# Altium PCB NxtPX4.PcbDoc (part 1 of 6) (continued)
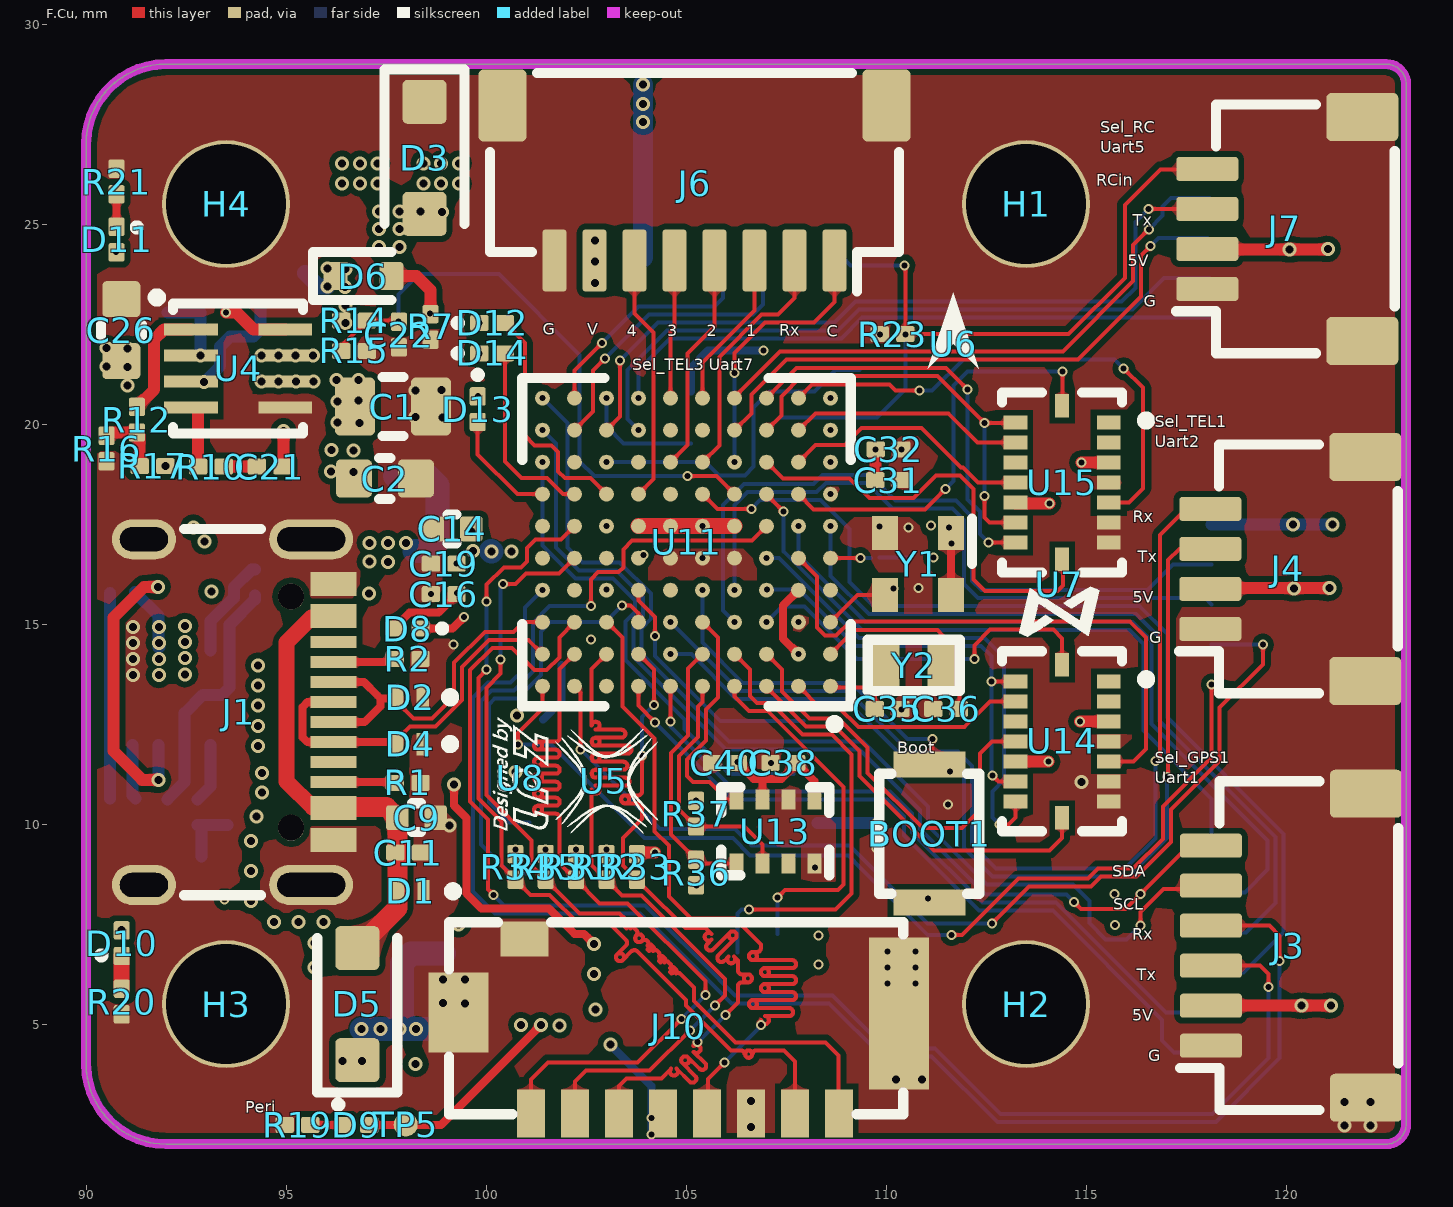
[diagram p0: F.Cu view]
## Design rules (kind name [scope] priority, off if disabled: settings) (continued)
PolygonConnect Polygon_B.Cu-Periph_3V3-2_ConnectDirect [IsNamedPolygon('B.Cu-Periph_3V3-2')] p74: connectstyle=Direct reliefconductorwidth=0.254 reliefentries=4 polygonreliefangle="90 Angle" airgapwidth=0.254
PolygonConnect Polygon_B.Cu-/BMI088_1_ADR_ConnectDirect [IsNamedPolygon('B.Cu-/BMI088_1_ADR')] p75: connectstyle=Direct reliefconductorwidth=0.254 reliefentries=4 polygonreliefangle="90 Angle" airgapwidth=0.254
PolygonConnect Polygon_B.Cu-/EX_I2C4_SDA_ConnectDirect [IsNamedPolygon('B.Cu-/EX_I2C4_SDA')] p76: connectstyle=Direct reliefconductorwidth=0.254 reliefentries=4 polygonreliefangle="90 Angle" airgapwidth=0.254
PolygonConnect Polygon_B.Cu-Net-(R11-Pad2)-3_ConnectDirect [IsNamedPolygon('B.Cu-Net-(R11-Pad2)-3')] p77: connectstyle=Direct reliefconductorwidth=0.254 reliefentries=4 polygonreliefangle="90 Angle" airgapwidth=0.254
PolygonConnect Polygon_B.Cu-/EX_I2C4_SCL_ConnectDirect [IsNamedPolygon('B.Cu-/EX_I2C4_SCL')] p78: connectstyle=Direct reliefconductorwidth=0.254 reliefentries=4 polygonreliefangle="90 Angle" airgapwidth=0.254
PolygonConnect Polygon_B.Cu-/NRST-2_ConnectDirect [IsNamedPolygon('B.Cu-/NRST-2')] p79: connectstyle=Direct reliefconductorwidth=0.254 reliefentries=4 polygonreliefangle="90 Angle" airgapwidth=0.254
PolygonConnect Polygon_B.Cu-/USART3_RX_ConnectDirect [IsNamedPolygon('B.Cu-/USART3_RX')] p80: connectstyle=Direct reliefconductorwidth=0.254 reliefentries=4 polygonreliefangle="90 Angle" airgapwidth=0.254
PolygonConnect Polygon_B.Cu-/FRAM_SPI2_MOSI_ConnectDirect [IsNamedPolygon('B.Cu-/FRAM_SPI2_MOSI')] p81: connectstyle=Direct reliefconductorwidth=0.254 reliefentries=4 polygonreliefangle="90 Angle" airgapwidth=0.254
PolygonConnect Polygon_B.Cu-/NRST-1_ConnectDirect [IsNamedPolygon('B.Cu-/NRST-1')] p82: connectstyle=Direct reliefconductorwidth=0.254 reliefentries=4 polygonreliefangle="90 Angle" airgapwidth=0.254
PolygonConnect Polygon_B.Cu-/SDMMC1_D1-1_ConnectDirect [IsNamedPolygon('B.Cu-/SDMMC1_D1-1')] p83: connectstyle=Direct reliefconductorwidth=0.254 reliefentries=4 polygonreliefangle="90 Angle" airgapwidth=0.254
PolygonConnect Polygon_B.Cu-/SBUS_INV-1_ConnectDirect [IsNamedPolygon('B.Cu-/SBUS_INV-1')] p84: connectstyle=Direct reliefconductorwidth=0.254 reliefentries=4 polygonreliefangle="90 Angle" airgapwidth=0.254
PolygonConnect Polygon_B.Cu-/UART8_TX_ConnectDirect [IsNamedPolygon('B.Cu-/UART8_TX')] p85: connectstyle=Direct reliefconductorwidth=0.254 reliefentries=4 polygonreliefangle="90 Angle" airgapwidth=0.254
PolygonConnect Polygon_B.Cu-/SDMMC1_D2_ConnectDirect [IsNamedPolygon('B.Cu-/SDMMC1_D2')] p86: connectstyle=Direct reliefconductorwidth=0.254 reliefentries=4 polygonreliefangle="90 Angle" airgapwidth=0.254
PolygonConnect Polygon_B.Cu-/EX_SPI3_SCK_ConnectDirect [IsNamedPolygon('B.Cu-/EX_SPI3_SCK')] p87: connectstyle=Direct reliefconductorwidth=0.254 reliefentries=4 polygonreliefangle="90 Angle" airgapwidth=0.254
PolygonConnect Polygon_B.Cu-/EX_SPI3_MOSI_ConnectDirect [IsNamedPolygon('B.Cu-/EX_SPI3_MOSI')] p88: connectstyle=Direct reliefconductorwidth=0.254 reliefentries=4 polygonreliefangle="90 Angle" airgapwidth=0.254
PolygonConnect Polygon_B.Cu-/AUX2_PC1_ConnectDirect [IsNamedPolygon('B.Cu-/AUX2_PC1')] p89: connectstyle=Direct reliefconductorwidth=0.254 reliefentries=4 polygonreliefangle="90 Angle" airgapwidth=0.254
PolygonConnect Polygon_B.Cu-/SBUS-1_ConnectDirect [IsNamedPolygon('B.Cu-/SBUS-1')] p90: connectstyle=Direct reliefconductorwidth=0.254 reliefentries=4 polygonreliefangle="90 Angle" airgapwidth=0.254
PolygonConnect Polygon_B.Cu-Net-(U1-VCC)_ConnectDirect [IsNamedPolygon('B.Cu-Net-(U1-VCC)')] p91: connectstyle=Direct reliefconductorwidth=0.254 reliefentries=4 polygonreliefangle="90 Angle" airgapwidth=0.254
PolygonConnect Polygon_B.Cu-Net-(U1-PG)_ConnectDirect [IsNamedPolygon('B.Cu-Net-(U1-PG)')] p92: connectstyle=Direct reliefconductorwidth=0.254 reliefentries=4 polygonreliefangle="90 Angle" airgapwidth=0.254
PolygonConnect Polygon_B.Cu-/BMI088_1_MOSI-1_ConnectDirect [IsNamedPolygon('B.Cu-/BMI088_1_MOSI-1')] p93: connectstyle=Direct reliefconductorwidth=0.254 reliefentries=4 polygonreliefangle="90 Angle" airgapwidth=0.254
PolygonConnect Polygon_B.Cu-/BMI088_1_MISO-1_ConnectDirect [IsNamedPolygon('B.Cu-/BMI088_1_MISO-1')] p94: connectstyle=Direct reliefconductorwidth=0.254 reliefentries=4 polygonreliefangle="90 Angle" airgapwidth=0.254
PolygonConnect Polygon_B.Cu-Net-(U1-SW)-1_ConnectDirect [IsNamedPolygon('B.Cu-Net-(U1-SW)-1')] p95: connectstyle=Direct reliefconductorwidth=0.254 reliefentries=4 polygonreliefangle="90 Angle" airgapwidth=0.254
PolygonConnect Polygon_B.Cu-/USART1_RX-1_ConnectDirect [IsNamedPolygon('B.Cu-/USART1_RX-1')] p96: connectstyle=Direct reliefconductorwidth=0.254 reliefentries=4 polygonreliefangle="90 Angle" airgapwidth=0.254
PolygonConnect Polygon_B.Cu-/SBUS_ConnectDirect [IsNamedPolygon('B.Cu-/SBUS')] p97: connectstyle=Direct reliefconductorwidth=0.254 reliefentries=4 polygonreliefangle="90 Angle" airgapwidth=0.254
PolygonConnect Polygon_B.Cu-Core_3V3-1_ConnectDirect [IsNamedPolygon('B.Cu-Core_3V3-1')] p98: connectstyle=Direct reliefconductorwidth=0.254 reliefentries=4 polygonreliefangle="90 Angle" airgapwidth=0.254
PolygonConnect Polygon_B.Cu-/TIM2_CH4-1_ConnectDirect [IsNamedPolygon('B.Cu-/TIM2_CH4-1')] p99: connectstyle=Direct reliefconductorwidth=0.254 reliefentries=4 polygonreliefangle="90 Angle" airgapwidth=0.254
PolygonConnect Polygon_B.Cu-Net-(U4-EN{slash}SYNC)-1_ConnectDirect [IsNamedPolygon('B.Cu-Net-(U4-EN{slash}SYNC)-1')] p100: connectstyle=Direct reliefconductorwidth=0.254 reliefentries=4 polygonreliefangle="90 Angle" airgapwidth=0.254
PolygonConnect Polygon_B.Cu-/USART2_RX-1_ConnectDirect [IsNamedPolygon('B.Cu-/USART2_RX-1')] p101: connectstyle=Direct reliefconductorwidth=0.254 reliefentries=4 polygonreliefangle="90 Angle" airgapwidth=0.254
PolygonConnect Polygon_B.Cu-/UART4_TX_ConnectDirect [IsNamedPolygon('B.Cu-/UART4_TX')] p102: connectstyle=Direct reliefconductorwidth=0.254 reliefentries=4 polygonreliefangle="90 Angle" airgapwidth=0.254
PolygonConnect Polygon_B.Cu-/BMI088_0_GCS-1_ConnectDirect [IsNamedPolygon('B.Cu-/BMI088_0_GCS-1')] p103: connectstyle=Direct reliefconductorwidth=0.254 reliefentries=4 polygonreliefangle="90 Angle" airgapwidth=0.254
PolygonConnect Polygon_B.Cu-/SWDIO_ConnectDirect [IsNamedPolygon('B.Cu-/SWDIO')] p104: connectstyle=Direct reliefconductorwidth=0.254 reliefentries=4 polygonreliefangle="90 Angle" airgapwidth=0.254
PolygonConnect Polygon_B.Cu-/FRAM_SPI2_MISO_ConnectDirect [IsNamedPolygon('B.Cu-/FRAM_SPI2_MISO')] p105: connectstyle=Direct reliefconductorwidth=0.254 reliefentries=4 polygonreliefangle="90 Angle" airgapwidth=0.254
PolygonConnect Polygon_B.Cu-/ADC1_INP4_BATT_V_ConnectDirect [IsNamedPolygon('B.Cu-/ADC1_INP4_BATT_V')] p106: connectstyle=Direct reliefconductorwidth=0.254 reliefentries=4 polygonreliefangle="90 Angle" airgapwidth=0.254
PolygonConnect Polygon_B.Cu-/SCLK-2_ConnectDirect [IsNamedPolygon('B.Cu-/SCLK-2')] p107: connectstyle=Direct reliefconductorwidth=0.254 reliefentries=4 polygonreliefangle="90 Angle" airgapwidth=0.254
PolygonConnect Polygon_B.Cu-/USART1_RX_ConnectDirect [IsNamedPolygon('B.Cu-/USART1_RX')] p108: connectstyle=Direct reliefconductorwidth=0.254 reliefentries=4 polygonreliefangle="90 Angle" airgapwidth=0.254
PolygonConnect Polygon_B.Cu-Net-(R11-Pad2)-2_ConnectDirect [IsNamedPolygon('B.Cu-Net-(R11-Pad2)-2')] p109: connectstyle=Direct reliefconductorwidth=0.254 reliefentries=4 polygonreliefangle="90 Angle" airgapwidth=0.254
PolygonConnect Polygon_B.Cu-Net-(U1-FB)_ConnectDirect [IsNamedPolygon('B.Cu-Net-(U1-FB)')] p110: connectstyle=Direct reliefconductorwidth=0.254 reliefentries=4 polygonreliefangle="90 Angle" airgapwidth=0.254
PolygonConnect Polygon_B.Cu-Net-(C17-Pad1)_ConnectDirect [IsNamedPolygon('B.Cu-Net-(C17-Pad1)')] p111: connectstyle=Direct reliefconductorwidth=0.254 reliefentries=4 polygonreliefangle="90 Angle" airgapwidth=0.254
PolygonConnect Polygon_B.Cu-/BMI088_1_MISO_ConnectDirect [IsNamedPolygon('B.Cu-/BMI088_1_MISO')] p112: connectstyle=Direct reliefconductorwidth=0.254 reliefentries=4 polygonreliefangle="90 Angle" airgapwidth=0.254
PolygonConnect Polygon_B.Cu-System_5V-3_ConnectDirect [IsNamedPolygon('B.Cu-System_5V-3')] p113: connectstyle=Direct reliefconductorwidth=0.254 reliefentries=4 polygonreliefangle="90 Angle" airgapwidth=0.254
PolygonConnect Polygon_B.Cu-Net-(R11-Pad2)-1_ConnectDirect [IsNamedPolygon('B.Cu-Net-(R11-Pad2)-1')] p114: connectstyle=Direct reliefconductorwidth=0.254 reliefentries=4 polygonreliefangle="90 Angle" airgapwidth=0.254
PolygonConnect Polygon_B.Cu-Core_3V3_ConnectDirect [IsNamedPolygon('B.Cu-Core_3V3')] p115: connectstyle=Direct reliefconductorwidth=0.254 reliefentries=4 polygonreliefangle="90 Angle" airgapwidth=0.254
PolygonConnect Polygon_B.Cu-/SDMMC1_D1_ConnectDirect [IsNamedPolygon('B.Cu-/SDMMC1_D1')] p116: connectstyle=Direct reliefconductorwidth=0.254 reliefentries=4 polygonreliefangle="90 Angle" airgapwidth=0.254
PolygonConnect Polygon_B.Cu-/SDMMC1_D3_ConnectDirect [IsNamedPolygon('B.Cu-/SDMMC1_D3')] p117: connectstyle=Direct reliefconductorwidth=0.254 reliefentries=4 polygonreliefangle="90 Angle" airgapwidth=0.254
PolygonConnect Polygon_B.Cu-Periph_3V3-1_ConnectDirect [IsNamedPolygon('B.Cu-Periph_3V3-1')] p118: connectstyle=Direct reliefconductorwidth=0.254 reliefentries=4 polygonreliefangle="90 Angle" airgapwidth=0.254
PolygonConnect Polygon_B.Cu-Net-(U4-VCC)_ConnectDirect [IsNamedPolygon('B.Cu-Net-(U4-VCC)')] p119: connectstyle=Direct reliefconductorwidth=0.254 reliefentries=4 polygonreliefangle="90 Angle" airgapwidth=0.254
PolygonConnect Polygon_B.Cu-Net-(U1-SW)_ConnectDirect [IsNamedPolygon('B.Cu-Net-(U1-SW)')] p120: connectstyle=Direct reliefconductorwidth=0.254 reliefentries=4 polygonreliefangle="90 Angle" airgapwidth=0.254
PolygonConnect Polygon_B.Cu-/BMI088_0_MISO-1_ConnectDirect [IsNamedPolygon('B.Cu-/BMI088_0_MISO-1')] p121: connectstyle=Direct reliefconductorwidth=0.254 reliefentries=4 polygonreliefangle="90 Angle" airgapwidth=0.254
PolygonConnect Polygon_B.Cu-/SCLK-1_ConnectDirect [IsNamedPolygon('B.Cu-/SCLK-1')] p122: connectstyle=Direct reliefconductorwidth=0.254 reliefentries=4 polygonreliefangle="90 Angle" airgapwidth=0.254
PolygonConnect Polygon_B.Cu-/TIM2_CH3_ConnectDirect [IsNamedPolygon('B.Cu-/TIM2_CH3')] p123: connectstyle=Direct reliefconductorwidth=0.254 reliefentries=4 polygonreliefangle="90 Angle" airgapwidth=0.254
PolygonConnect Polygon_B.Cu-/SCLK_ConnectDirect [IsNamedPolygon('B.Cu-/SCLK')] p124: connectstyle=Direct reliefconductorwidth=0.254 reliefentries=4 polygonreliefangle="90 Angle" airgapwidth=0.254
PolygonConnect Polygon_B.Cu-/AUX1_PC0_ConnectDirect [IsNamedPolygon('B.Cu-/AUX1_PC0')] p125: connectstyle=Direct reliefconductorwidth=0.254 reliefentries=4 polygonreliefangle="90 Angle" airgapwidth=0.254
PolygonConnect Polygon_B.Cu-Net-(R11-Pad2)_ConnectDirect [IsNamedPolygon('B.Cu-Net-(R11-Pad2)')] p126: connectstyle=Direct reliefconductorwidth=0.254 reliefentries=4 polygonreliefangle="90 Angle" airgapwidth=0.254
PolygonConnect Polygon_B.Cu-Periph_3V3_ConnectDirect [IsNamedPolygon('B.Cu-Periph_3V3')] p127: connectstyle=Direct reliefconductorwidth=0.254 reliefentries=4 polygonreliefangle="90 Angle" airgapwidth=0.254
PolygonConnect Polygon_B.Cu-Net-(U1-BST)_ConnectDirect [IsNamedPolygon('B.Cu-Net-(U1-BST)')] p128: connectstyle=Direct reliefconductorwidth=0.254 reliefentries=4 polygonreliefangle="90 Angle" airgapwidth=0.254
PolygonConnect Polygon_B.Cu-/BMI088_0_GCS_ConnectDirect [IsNamedPolygon('B.Cu-/BMI088_0_GCS')] p129: connectstyle=Direct reliefconductorwidth=0.254 reliefentries=4 polygonreliefangle="90 Angle" airgapwidth=0.254
PolygonConnect Polygon_B.Cu-System_5V-2_ConnectDirect [IsNamedPolygon('B.Cu-System_5V-2')] p130: connectstyle=Direct reliefconductorwidth=0.254 reliefentries=4 polygonreliefangle="90 Angle" airgapwidth=0.254
PolygonConnect Polygon_B.Cu-/EX_SPI3_MISO_ConnectDirect [IsNamedPolygon('B.Cu-/EX_SPI3_MISO')] p131: connectstyle=Direct reliefconductorwidth=0.254 reliefentries=4 polygonreliefangle="90 Angle" airgapwidth=0.254
PolygonConnect Polygon_B.Cu-Net-(U1-EN{slash}SYNC)_ConnectDirect [IsNamedPolygon('B.Cu-Net-(U1-EN{slash}SYNC)')] p132: connectstyle=Direct reliefconductorwidth=0.254 reliefentries=4 polygonreliefangle="90 Angle" airgapwidth=0.254
PolygonConnect Polygon_B.Cu-/USART2_RX_ConnectDirect [IsNamedPolygon('B.Cu-/USART2_RX')] p133: connectstyle=Direct reliefconductorwidth=0.254 reliefentries=4 polygonreliefangle="90 Angle" airgapwidth=0.254
PolygonConnect Polygon_B.Cu-System_5V-1_ConnectDirect [IsNamedPolygon('B.Cu-System_5V-1')] p134: connectstyle=Direct reliefconductorwidth=0.254 reliefentries=4 polygonreliefangle="90 Angle" airgapwidth=0.254
PolygonConnect Polygon_B.Cu-/BMI088_0_MISO_ConnectDirect [IsNamedPolygon('B.Cu-/BMI088_0_MISO')] p135: connectstyle=Direct reliefconductorwidth=0.254 reliefentries=4 polygonreliefangle="90 Angle" airgapwidth=0.254
PolygonConnect Polygon_B.Cu-VCC_24V_ConnectDirect [IsNamedPolygon('B.Cu-VCC_24V')] p136: connectstyle=Direct reliefconductorwidth=0.254 reliefentries=4 polygonreliefangle="90 Angle" airgapwidth=0.254
PolygonConnect Polygon_B.Cu-/USART2_TX_ConnectDirect [IsNamedPolygon('B.Cu-/USART2_TX')] p137: connectstyle=Direct reliefconductorwidth=0.254 reliefentries=4 polygonreliefangle="90 Angle" airgapwidth=0.254
PolygonConnect Polygon_B.Cu-/BMI088_0_ADR_ConnectDirect [IsNamedPolygon('B.Cu-/BMI088_0_ADR')] p138: connectstyle=Direct reliefconductorwidth=0.254 reliefentries=4 polygonreliefangle="90 Angle" airgapwidth=0.254
PolygonConnect Polygon_B.Cu-/SBUS_INV_ConnectDirect [IsNamedPolygon('B.Cu-/SBUS_INV')] p139: connectstyle=Direct reliefconductorwidth=0.254 reliefentries=4 polygonreliefangle="90 Angle" airgapwidth=0.254
PolygonConnect Polygon_B.Cu-CAM_9V_ConnectDirect [IsNamedPolygon('B.Cu-CAM_9V')] p140: connectstyle=Direct reliefconductorwidth=0.254 reliefentries=4 polygonreliefangle="90 Angle" airgapwidth=0.254
PolygonConnect Polygon_B.Cu-Net-(U4-EN{slash}SYNC)_ConnectDirect [IsNamedPolygon('B.Cu-Net-(U4-EN{slash}SYNC)')] p141: connectstyle=Direct reliefconductorwidth=0.254 reliefentries=4 polygonreliefangle="90 Angle" airgapwidth=0.254
PolygonConnect Polygon_B.Cu-/TIM2_CH4_ConnectDirect [IsNamedPolygon('B.Cu-/TIM2_CH4')] p142: connectstyle=Direct reliefconductorwidth=0.254 reliefentries=4 polygonreliefangle="90 Angle" airgapwidth=0.254
PolygonConnect Polygon_B.Cu-/TIM3_CH4_ConnectDirect [IsNamedPolygon('B.Cu-/TIM3_CH4')] p143: connectstyle=Direct reliefconductorwidth=0.254 reliefentries=4 polygonreliefangle="90 Angle" airgapwidth=0.254
PolygonConnect Polygon_B.Cu-/NRST_ConnectDirect [IsNamedPolygon('B.Cu-/NRST')] p144: connectstyle=Direct reliefconductorwidth=0.254 reliefentries=4 polygonreliefangle="90 Angle" airgapwidth=0.254
PolygonConnect Polygon_B.Cu-/BMI088_1_MOSI_ConnectDirect [IsNamedPolygon('B.Cu-/BMI088_1_MOSI')] p145: connectstyle=Direct reliefconductorwidth=0.254 reliefentries=4 polygonreliefangle="90 Angle" airgapwidth=0.254
PolygonConnect Polygon_B.Cu-System_5V_ConnectDirect [IsNamedPolygon('B.Cu-System_5V')] p146: connectstyle=Direct reliefconductorwidth=0.254 reliefentries=4 polygonreliefangle="90 Angle" airgapwidth=0.254
PolygonConnect Polygon_B.Cu-Net-(U11B-BOOT0)_ConnectDirect [IsNamedPolygon('B.Cu-Net-(U11B-BOOT0)')] p147: connectstyle=Direct reliefconductorwidth=0.254 reliefentries=4 polygonreliefangle="90 Angle" airgapwidth=0.254
PolygonConnect Polygon_In2.Cu-Periph_3V3-4_ConnectDirect [IsNamedPolygon('In2.Cu-Periph_3V3-4')] p148: connectstyle=Direct reliefconductorwidth=0.254 reliefentries=4 polygonreliefangle="90 Angle" airgapwidth=0.254
PolygonConnect Polygon_In2.Cu-Periph_3V3-3_ConnectDirect [IsNamedPolygon('In2.Cu-Periph_3V3-3')] p149: connectstyle=Direct reliefconductorwidth=0.254 reliefentries=4 polygonreliefangle="90 Angle" airgapwidth=0.254
PolygonConnect Polygon_In2.Cu-Periph_3V3-2_ConnectDirect [IsNamedPolygon('In2.Cu-Periph_3V3-2')] p150: connectstyle=Direct reliefconductorwidth=0.254 reliefentries=4 polygonreliefangle="90 Angle" airgapwidth=0.254
PolygonConnect Polygon_In2.Cu-System_4V5_ConnectDirect [IsNamedPolygon('In2.Cu-System_4V5')] p151: connectstyle=Direct reliefconductorwidth=0.254 reliefentries=4 polygonreliefangle="90 Angle" airgapwidth=0.254
PolygonConnect Polygon_In2.Cu-Core_3V3-14_ConnectDirect [IsNamedPolygon('In2.Cu-Core_3V3-14')] p152: connectstyle=Direct reliefconductorwidth=0.254 reliefentries=4 polygonreliefangle="90 Angle" airgapwidth=0.254
PolygonConnect Polygon_In2.Cu-Core_3V3-13_ConnectDirect [IsNamedPolygon('In2.Cu-Core_3V3-13')] p153: connectstyle=Direct reliefconductorwidth=0.254 reliefentries=4 polygonreliefangle="90 Angle" airgapwidth=0.254
PolygonConnect Polygon_In2.Cu-Core_3V3-12_ConnectDirect [IsNamedPolygon('In2.Cu-Core_3V3-12')] p154: connectstyle=Direct reliefconductorwidth=0.254 reliefentries=4 polygonreliefangle="90 Angle" airgapwidth=0.254
PolygonConnect Polygon_In2.Cu-Core_3V3-11_ConnectDirect [IsNamedPolygon('In2.Cu-Core_3V3-11')] p155: connectstyle=Direct reliefconductorwidth=0.254 reliefentries=4 polygonreliefangle="90 Angle" airgapwidth=0.254
PolygonConnect Polygon_In2.Cu-Periph_3V3-1_ConnectDirect [IsNamedPolygon('In2.Cu-Periph_3V3-1')] p156: connectstyle=Direct reliefconductorwidth=0.254 reliefentries=4 polygonreliefangle="90 Angle" airgapwidth=0.254
PolygonConnect Polygon_In2.Cu-Core_3V3-10_ConnectDirect [IsNamedPolygon('In2.Cu-Core_3V3-10')] p157: connectstyle=Direct reliefconductorwidth=0.254 reliefentries=4 polygonreliefangle="90 Angle" airgapwidth=0.254
PolygonConnect Polygon_In2.Cu-Net-(U1-SW)_ConnectDirect [IsNamedPolygon('In2.Cu-Net-(U1-SW)')] p158: connectstyle=Direct reliefconductorwidth=0.254 reliefentries=4 polygonreliefangle="90 Angle" airgapwidth=0.254
PolygonConnect Polygon_In2.Cu-Core_3V3-9_ConnectDirect [IsNamedPolygon('In2.Cu-Core_3V3-9')] p159: connectstyle=Direct reliefconductorwidth=0.254 reliefentries=4 polygonreliefangle="90 Angle" airgapwidth=0.254
PolygonConnect Polygon_In2.Cu-Core_3V3-8_ConnectDirect [IsNamedPolygon('In2.Cu-Core_3V3-8')] p160: connectstyle=Direct reliefconductorwidth=0.254 reliefentries=4 polygonreliefangle="90 Angle" airgapwidth=0.254
PolygonConnect Polygon_In2.Cu-Periph_3V3_ConnectDirect [IsNamedPolygon('In2.Cu-Periph_3V3')] p161: connectstyle=Direct reliefconductorwidth=0.254 reliefentries=4 polygonreliefangle="90 Angle" airgapwidth=0.254
PolygonConnect Polygon_In2.Cu-Core_3V3-7_ConnectDirect [IsNamedPolygon('In2.Cu-Core_3V3-7')] p162: connectstyle=Direct reliefconductorwidth=0.254 reliefentries=4 polygonreliefangle="90 Angle" airgapwidth=0.254
PolygonConnect Polygon_In2.Cu-Core_3V3-6_ConnectDirect [IsNamedPolygon('In2.Cu-Core_3V3-6')] p163: connectstyle=Direct reliefconductorwidth=0.254 reliefentries=4 polygonreliefangle="90 Angle" airgapwidth=0.254
PolygonConnect Polygon_In2.Cu-VCC_24V_ConnectDirect [IsNamedPolygon('In2.Cu-VCC_24V')] p164: connectstyle=Direct reliefconductorwidth=0.254 reliefentries=4 polygonreliefangle="90 Angle" airgapwidth=0.254
PolygonConnect Polygon_In2.Cu-Core_3V3-5_ConnectDirect [IsNamedPolygon('In2.Cu-Core_3V3-5')] p165: connectstyle=Direct reliefconductorwidth=0.254 reliefentries=4 polygonreliefangle="90 Angle" airgapwidth=0.254
PolygonConnect Polygon_In2.Cu-Core_3V3-4_ConnectDirect [IsNamedPolygon('In2.Cu-Core_3V3-4')] p166: connectstyle=Direct reliefconductorwidth=0.254 reliefentries=4 polygonreliefangle="90 Angle" airgapwidth=0.254
PolygonConnect Polygon_In2.Cu-Core_3V3-3_ConnectDirect [IsNamedPolygon('In2.Cu-Core_3V3-3')] p167: connectstyle=Direct reliefconductorwidth=0.254 reliefentries=4 polygonreliefangle="90 Angle" airgapwidth=0.254
PolygonConnect Polygon_In2.Cu-Core_3V3-2_ConnectDirect [IsNamedPolygon('In2.Cu-Core_3V3-2')] p168: connectstyle=Direct reliefconductorwidth=0.254 reliefentries=4 polygonreliefangle="90 Angle" airgapwidth=0.254
PolygonConnect Polygon_In2.Cu-System_5V_ConnectDirect [IsNamedPolygon('In2.Cu-System_5V')] p169: connectstyle=Direct reliefconductorwidth=0.254 reliefentries=4 polygonreliefangle="90 Angle" airgapwidth=0.254
PolygonConnect Polygon_In2.Cu-VCC_BAT_ConnectDirect [IsNamedPolygon('In2.Cu-VCC_BAT')] p170: connectstyle=Direct reliefconductorwidth=0.254 reliefentries=4 polygonreliefangle="90 Angle" airgapwidth=0.254
PolygonConnect Polygon_In2.Cu-Core_3V3-1_ConnectDirect [IsNamedPolygon('In2.Cu-Core_3V3-1')] p171: connectstyle=Direct reliefconductorwidth=0.254 reliefentries=4 polygonreliefangle="90 Angle" airgapwidth=0.254
PolygonConnect Polygon_In2.Cu-CAM_9V_ConnectDirect [IsNamedPolygon('In2.Cu-CAM_9V')] p172: connectstyle=Direct reliefconductorwidth=0.254 reliefentries=4 polygonreliefangle="90 Angle" airgapwidth=0.254
PolygonConnect Polygon_In2.Cu-Core_3V3_ConnectDirect [IsNamedPolygon('In2.Cu-Core_3V3')] p173: connectstyle=Direct reliefconductorwidth=0.254 reliefentries=4 polygonreliefangle="90 Angle" airgapwidth=0.254
PolygonConnect Polygon_B.Cu-GND_ConnectDirect [IsNamedPolygon('B.Cu-GND')] p174: connectstyle=Direct reliefconductorwidth=0.254 reliefentries=4 polygonreliefangle="90 Angle" airgapwidth=0.254
PolygonConnect Polygon_In1.Cu-GND_ConnectDirect [IsNamedPolygon('In1.Cu-GND')] p175: connectstyle=Direct reliefconductorwidth=0.254 reliefentries=4 polygonreliefangle="90 Angle" airgapwidth=0.254
PolygonConnect Polygon_F.Cu-GND_ConnectDirect [IsNamedPolygon('F.Cu-GND')] p176: connectstyle=Direct reliefconductorwidth=0.254 reliefentries=4 polygonreliefangle="90 Angle" airgapwidth=0.254
PolygonConnect Polygon_F.Cu-/SCLK-3_ConnectDirect [IsNamedPolygon('F.Cu-/SCLK-3')] p177: connectstyle=Direct reliefconductorwidth=0.254 reliefentries=4 polygonreliefangle="90 Angle" airgapwidth=0.254
PolygonConnect Polygon_F.Cu-/USART3_TX-1_ConnectDirect [IsNamedPolygon('F.Cu-/USART3_TX-1')] p178: connectstyle=Direct reliefconductorwidth=0.254 reliefentries=4 polygonreliefangle="90 Angle" airgapwidth=0.254
PolygonConnect Polygon_F.Cu-/USB_OTG_FS_DM-4_ConnectDirect [IsNamedPolygon('F.Cu-/USB_OTG_FS_DM-4')] p179: connectstyle=Direct reliefconductorwidth=0.254 reliefentries=4 polygonreliefangle="90 Angle" airgapwidth=0.254
PolygonConnect Polygon_F.Cu-/EX_SPI3_MOSI-1_ConnectDirect [IsNamedPolygon('F.Cu-/EX_SPI3_MOSI-1')] p180: connectstyle=Direct reliefconductorwidth=0.254 reliefentries=4 polygonreliefangle="90 Angle" airgapwidth=0.254
PolygonConnect Polygon_F.Cu-System_5V-11_ConnectDirect [IsNamedPolygon('F.Cu-System_5V-11')] p181: connectstyle=Direct reliefconductorwidth=0.254 reliefentries=4 polygonreliefangle="90 Angle" airgapwidth=0.254
PolygonConnect Polygon_F.Cu-/BMI088_0_MISO-5_ConnectDirect [IsNamedPolygon('F.Cu-/BMI088_0_MISO-5')] p182: connectstyle=Direct reliefconductorwidth=0.254 reliefentries=4 polygonreliefangle="90 Angle" airgapwidth=0.254
PolygonConnect Polygon_F.Cu-/BMI088_1_MISO-3_ConnectDirect [IsNamedPolygon('F.Cu-/BMI088_1_MISO-3')] p183: connectstyle=Direct reliefconductorwidth=0.254 reliefentries=4 polygonreliefangle="90 Angle" airgapwidth=0.254
PolygonConnect Polygon_F.Cu-System_5V-10_ConnectDirect [IsNamedPolygon('F.Cu-System_5V-10')] p184: connectstyle=Direct reliefconductorwidth=0.254 reliefentries=4 polygonreliefangle="90 Angle" airgapwidth=0.254
PolygonConnect Polygon_F.Cu-/USART1_RX-1_ConnectDirect [IsNamedPolygon('F.Cu-/USART1_RX-1')] p185: connectstyle=Direct reliefconductorwidth=0.254 reliefentries=4 polygonreliefangle="90 Angle" airgapwidth=0.254
PolygonConnect Polygon_F.Cu-Core_3V3-21_ConnectDirect [IsNamedPolygon('F.Cu-Core_3V3-21')] p186: connectstyle=Direct reliefconductorwidth=0.254 reliefentries=4 polygonreliefangle="90 Angle" airgapwidth=0.254
PolygonConnect Polygon_F.Cu-/EX_SPI3_MOSI_ConnectDirect [IsNamedPolygon('F.Cu-/EX_SPI3_MOSI')] p187: connectstyle=Direct reliefconductorwidth=0.254 reliefentries=4 polygonreliefangle="90 Angle" airgapwidth=0.254
PolygonConnect Polygon_F.Cu-/BMI088_1_SCK-1_ConnectDirect [IsNamedPolygon('F.Cu-/BMI088_1_SCK-1')] p188: connectstyle=Direct reliefconductorwidth=0.254 reliefentries=4 polygonreliefangle="90 Angle" airgapwidth=0.254
PolygonConnect Polygon_F.Cu-Net-(J1-CC1)-1_ConnectDirect [IsNamedPolygon('F.Cu-Net-(J1-CC1)-1')] p189: connectstyle=Direct reliefconductorwidth=0.254 reliefentries=4 polygonreliefangle="90 Angle" airgapwidth=0.254
PolygonConnect Polygon_F.Cu-/BMI088_0_SCK-1_ConnectDirect [IsNamedPolygon('F.Cu-/BMI088_0_SCK-1')] p190: connectstyle=Direct reliefconductorwidth=0.254 reliefentries=4 polygonreliefangle="90 Angle" airgapwidth=0.254
PolygonConnect Polygon_F.Cu-/USART1_TX-3_ConnectDirect [IsNamedPolygon('F.Cu-/USART1_TX-3')] p191: connectstyle=Direct reliefconductorwidth=0.254 reliefentries=4 polygonreliefangle="90 Angle" airgapwidth=0.254
PolygonConnect Polygon_F.Cu-/SCLK-2_ConnectDirect [IsNamedPolygon('F.Cu-/SCLK-2')] p192: connectstyle=Direct reliefconductorwidth=0.254 reliefentries=4 polygonreliefangle="90 Angle" airgapwidth=0.254
PolygonConnect Polygon_F.Cu-/USB_OTG_FS_DM-3_ConnectDirect [IsNamedPolygon('F.Cu-/USB_OTG_FS_DM-3')] p193: connectstyle=Direct reliefconductorwidth=0.254 reliefentries=4 polygonreliefangle="90 Angle" airgapwidth=0.254
PolygonConnect Polygon_F.Cu-/UART4_RX-1_ConnectDirect [IsNamedPolygon('F.Cu-/UART4_RX-1')] p194: connectstyle=Direct reliefconductorwidth=0.254 reliefentries=4 polygonreliefangle="90 Angle" airgapwidth=0.254
PolygonConnect Polygon_F.Cu-System_5V-9_ConnectDirect [IsNamedPolygon('F.Cu-System_5V-9')] p195: connectstyle=Direct reliefconductorwidth=0.254 reliefentries=4 polygonreliefangle="90 Angle" airgapwidth=0.254
PolygonConnect Polygon_F.Cu-/SDMMC1_CMD-6_ConnectDirect [IsNamedPolygon('F.Cu-/SDMMC1_CMD-6')] p196: connectstyle=Direct reliefconductorwidth=0.254 reliefentries=4 polygonreliefangle="90 Angle" airgapwidth=0.254
PolygonConnect Polygon_F.Cu-/TIM3_CH4-1_ConnectDirect [IsNamedPolygon('F.Cu-/TIM3_CH4-1')] p197: connectstyle=Direct reliefconductorwidth=0.254 reliefentries=4 polygonreliefangle="90 Angle" airgapwidth=0.254
PolygonConnect Polygon_F.Cu-/Baro_I2C1_SCL-3_ConnectDirect [IsNamedPolygon('F.Cu-/Baro_I2C1_SCL-3')] p198: connectstyle=Direct reliefconductorwidth=0.254 reliefentries=4 polygonreliefangle="90 Angle" airgapwidth=0.254
PolygonConnect Polygon_F.Cu-Net-(D8-K)-1_ConnectDirect [IsNamedPolygon('F.Cu-Net-(D8-K)-1')] p199: connectstyle=Direct reliefconductorwidth=0.254 reliefentries=4 polygonreliefangle="90 Angle" airgapwidth=0.254
PolygonConnect Polygon_F.Cu-/SDMMC1_D0-5_ConnectDirect [IsNamedPolygon('F.Cu-/SDMMC1_D0-5')] p200: connectstyle=Direct reliefconductorwidth=0.254 reliefentries=4 polygonreliefangle="90 Angle" airgapwidth=0.254
PolygonConnect Polygon_F.Cu-/BMI088_0_ADR-3_ConnectDirect [IsNamedPolygon('F.Cu-/BMI088_0_ADR-3')] p201: connectstyle=Direct reliefconductorwidth=0.254 reliefentries=4 polygonreliefangle="90 Angle" airgapwidth=0.254
PolygonConnect Polygon_F.Cu-/SDMMC1_CK-3_ConnectDirect [IsNamedPolygon('F.Cu-/SDMMC1_CK-3')] p202: connectstyle=Direct reliefconductorwidth=0.254 reliefentries=4 polygonreliefangle="90 Angle" airgapwidth=0.254
PolygonConnect Polygon_F.Cu-/LED_RED-1_ConnectDirect [IsNamedPolygon('F.Cu-/LED_RED-1')] p203: connectstyle=Direct reliefconductorwidth=0.254 reliefentries=4 polygonreliefangle="90 Angle" airgapwidth=0.254
PolygonConnect Polygon_F.Cu-Core_3V3-20_ConnectDirect [IsNamedPolygon('F.Cu-Core_3V3-20')] p204: connectstyle=Direct reliefconductorwidth=0.254 reliefentries=4 polygonreliefangle="90 Angle" airgapwidth=0.254
PolygonConnect Polygon_F.Cu-Core_3V3-19_ConnectDirect [IsNamedPolygon('F.Cu-Core_3V3-19')] p205: connectstyle=Direct reliefconductorwidth=0.254 reliefentries=4 polygonreliefangle="90 Angle" airgapwidth=0.254
PolygonConnect Polygon_F.Cu-/BMI088_1_ACS-1_ConnectDirect [IsNamedPolygon('F.Cu-/BMI088_1_ACS-1')] p206: connectstyle=Direct reliefconductorwidth=0.254 reliefentries=4 polygonreliefangle="90 Angle" airgapwidth=0.254
PolygonConnect Polygon_F.Cu-Net-(U4-SW)-1_ConnectDirect [IsNamedPolygon('F.Cu-Net-(U4-SW)-1')] p207: connectstyle=Direct reliefconductorwidth=0.254 reliefentries=4 polygonreliefangle="90 Angle" airgapwidth=0.254
PolygonConnect Polygon_F.Cu-/USART1_TX-2_ConnectDirect [IsNamedPolygon('F.Cu-/USART1_TX-2')] p208: connectstyle=Direct reliefconductorwidth=0.254 reliefentries=4 polygonreliefangle="90 Angle" airgapwidth=0.254
PolygonConnect Polygon_F.Cu-/BMI088_0_MOSI-3_ConnectDirect [IsNamedPolygon('F.Cu-/BMI088_0_MOSI-3')] p209: connectstyle=Direct reliefconductorwidth=0.254 reliefentries=4 polygonreliefangle="90 Angle" airgapwidth=0.254
PolygonConnect Polygon_F.Cu-Net-(R12-Pad2)-3_ConnectDirect [IsNamedPolygon('F.Cu-Net-(R12-Pad2)-3')] p210: connectstyle=Direct reliefconductorwidth=0.254 reliefentries=4 polygonreliefangle="90 Angle" airgapwidth=0.254
PolygonConnect Polygon_F.Cu-/USB_OTG_FS_DM-2_ConnectDirect [IsNamedPolygon('F.Cu-/USB_OTG_FS_DM-2')] p211: connectstyle=Direct reliefconductorwidth=0.254 reliefentries=4 polygonreliefangle="90 Angle" airgapwidth=0.254
PolygonConnect Polygon_F.Cu-Net-(U11B-BOOT0)-1_ConnectDirect [IsNamedPolygon('F.Cu-Net-(U11B-BOOT0)-1')] p212: connectstyle=Direct reliefconductorwidth=0.254 reliefentries=4 polygonreliefangle="90 Angle" airgapwidth=0.254
PolygonConnect Polygon_F.Cu-Core_3V3-18_ConnectDirect [IsNamedPolygon('F.Cu-Core_3V3-18')] p213: connectstyle=Direct reliefconductorwidth=0.254 reliefentries=4 polygonreliefangle="90 Angle" airgapwidth=0.254
PolygonConnect Polygon_F.Cu-/TIM3_CH3-1_ConnectDirect [IsNamedPolygon('F.Cu-/TIM3_CH3-1')] p214: connectstyle=Direct reliefconductorwidth=0.254 reliefentries=4 polygonreliefangle="90 Angle" airgapwidth=0.254
PolygonConnect Polygon_F.Cu-/SDMMC1_D2-5_ConnectDirect [IsNamedPolygon('F.Cu-/SDMMC1_D2-5')] p215: connectstyle=Direct reliefconductorwidth=0.254 reliefentries=4 polygonreliefangle="90 Angle" airgapwidth=0.254
PolygonConnect Polygon_F.Cu-/EX_I2C4_SDA-2_ConnectDirect [IsNamedPolygon('F.Cu-/EX_I2C4_SDA-2')] p216: connectstyle=Direct reliefconductorwidth=0.254 reliefentries=4 polygonreliefangle="90 Angle" airgapwidth=0.254
PolygonConnect Polygon_F.Cu-/SDMMC1_CMD-5_ConnectDirect [IsNamedPolygon('F.Cu-/SDMMC1_CMD-5')] p217: connectstyle=Direct reliefconductorwidth=0.254 reliefentries=4 polygonreliefangle="90 Angle" airgapwidth=0.254
PolygonConnect Polygon_F.Cu-/SDMMC1_CMD-4_ConnectDirect [IsNamedPolygon('F.Cu-/SDMMC1_CMD-4')] p218: connectstyle=Direct reliefconductorwidth=0.254 reliefentries=4 polygonreliefangle="90 Angle" airgapwidth=0.254
PolygonConnect Polygon_F.Cu-/ADC2_INP8_BATT_I-1_ConnectDirect [IsNamedPolygon('F.Cu-/ADC2_INP8_BATT_I-1')] p219: connectstyle=Direct reliefconductorwidth=0.254 reliefentries=4 polygonreliefangle="90 Angle" airgapwidth=0.254
PolygonConnect Polygon_F.Cu-/FRAM_SPI2_MOSI-1_ConnectDirect [IsNamedPolygon('F.Cu-/FRAM_SPI2_MOSI-1')] p220: connectstyle=Direct reliefconductorwidth=0.254 reliefentries=4 polygonreliefangle="90 Angle" airgapwidth=0.254
PolygonConnect Polygon_F.Cu-Core_3V3-17_ConnectDirect [IsNamedPolygon('F.Cu-Core_3V3-17')] p221: connectstyle=Direct reliefconductorwidth=0.254 reliefentries=4 polygonreliefangle="90 Angle" airgapwidth=0.254
PolygonConnect Polygon_F.Cu-/FRAM_SPI2_MOSI_ConnectDirect [IsNamedPolygon('F.Cu-/FRAM_SPI2_MOSI')] p222: connectstyle=Direct reliefconductorwidth=0.254 reliefentries=4 polygonreliefangle="90 Angle" airgapwidth=0.254
PolygonConnect Polygon_F.Cu-/SDMMC1_D1-4_ConnectDirect [IsNamedPolygon('F.Cu-/SDMMC1_D1-4')] p223: connectstyle=Direct reliefconductorwidth=0.254 reliefentries=4 polygonreliefangle="90 Angle" airgapwidth=0.254
PolygonConnect Polygon_F.Cu-/ADC1_INP4_BATT_V-6_ConnectDirect [IsNamedPolygon('F.Cu-/ADC1_INP4_BATT_V-6')] p224: connectstyle=Direct reliefconductorwidth=0.254 reliefentries=4 polygonreliefangle="90 Angle" airgapwidth=0.254
PolygonConnect Polygon_F.Cu-/Baro_I2C1_SDA-3_ConnectDirect [IsNamedPolygon('F.Cu-/Baro_I2C1_SDA-3')] p225: connectstyle=Direct reliefconductorwidth=0.254 reliefentries=4 polygonreliefangle="90 Angle" airgapwidth=0.254
PolygonConnect Polygon_F.Cu-/UART5_TX-3_ConnectDirect [IsNamedPolygon('F.Cu-/UART5_TX-3')] p226: connectstyle=Direct reliefconductorwidth=0.254 reliefentries=4 polygonreliefangle="90 Angle" airgapwidth=0.254
PolygonConnect Polygon_F.Cu-Net-(D8-K)_ConnectDirect [IsNamedPolygon('F.Cu-Net-(D8-K)')] p227: connectstyle=Direct reliefconductorwidth=0.254 reliefentries=4 polygonreliefangle="90 Angle" airgapwidth=0.254